# KiCad board Dumpling_Main.kicad_pcb (continued)
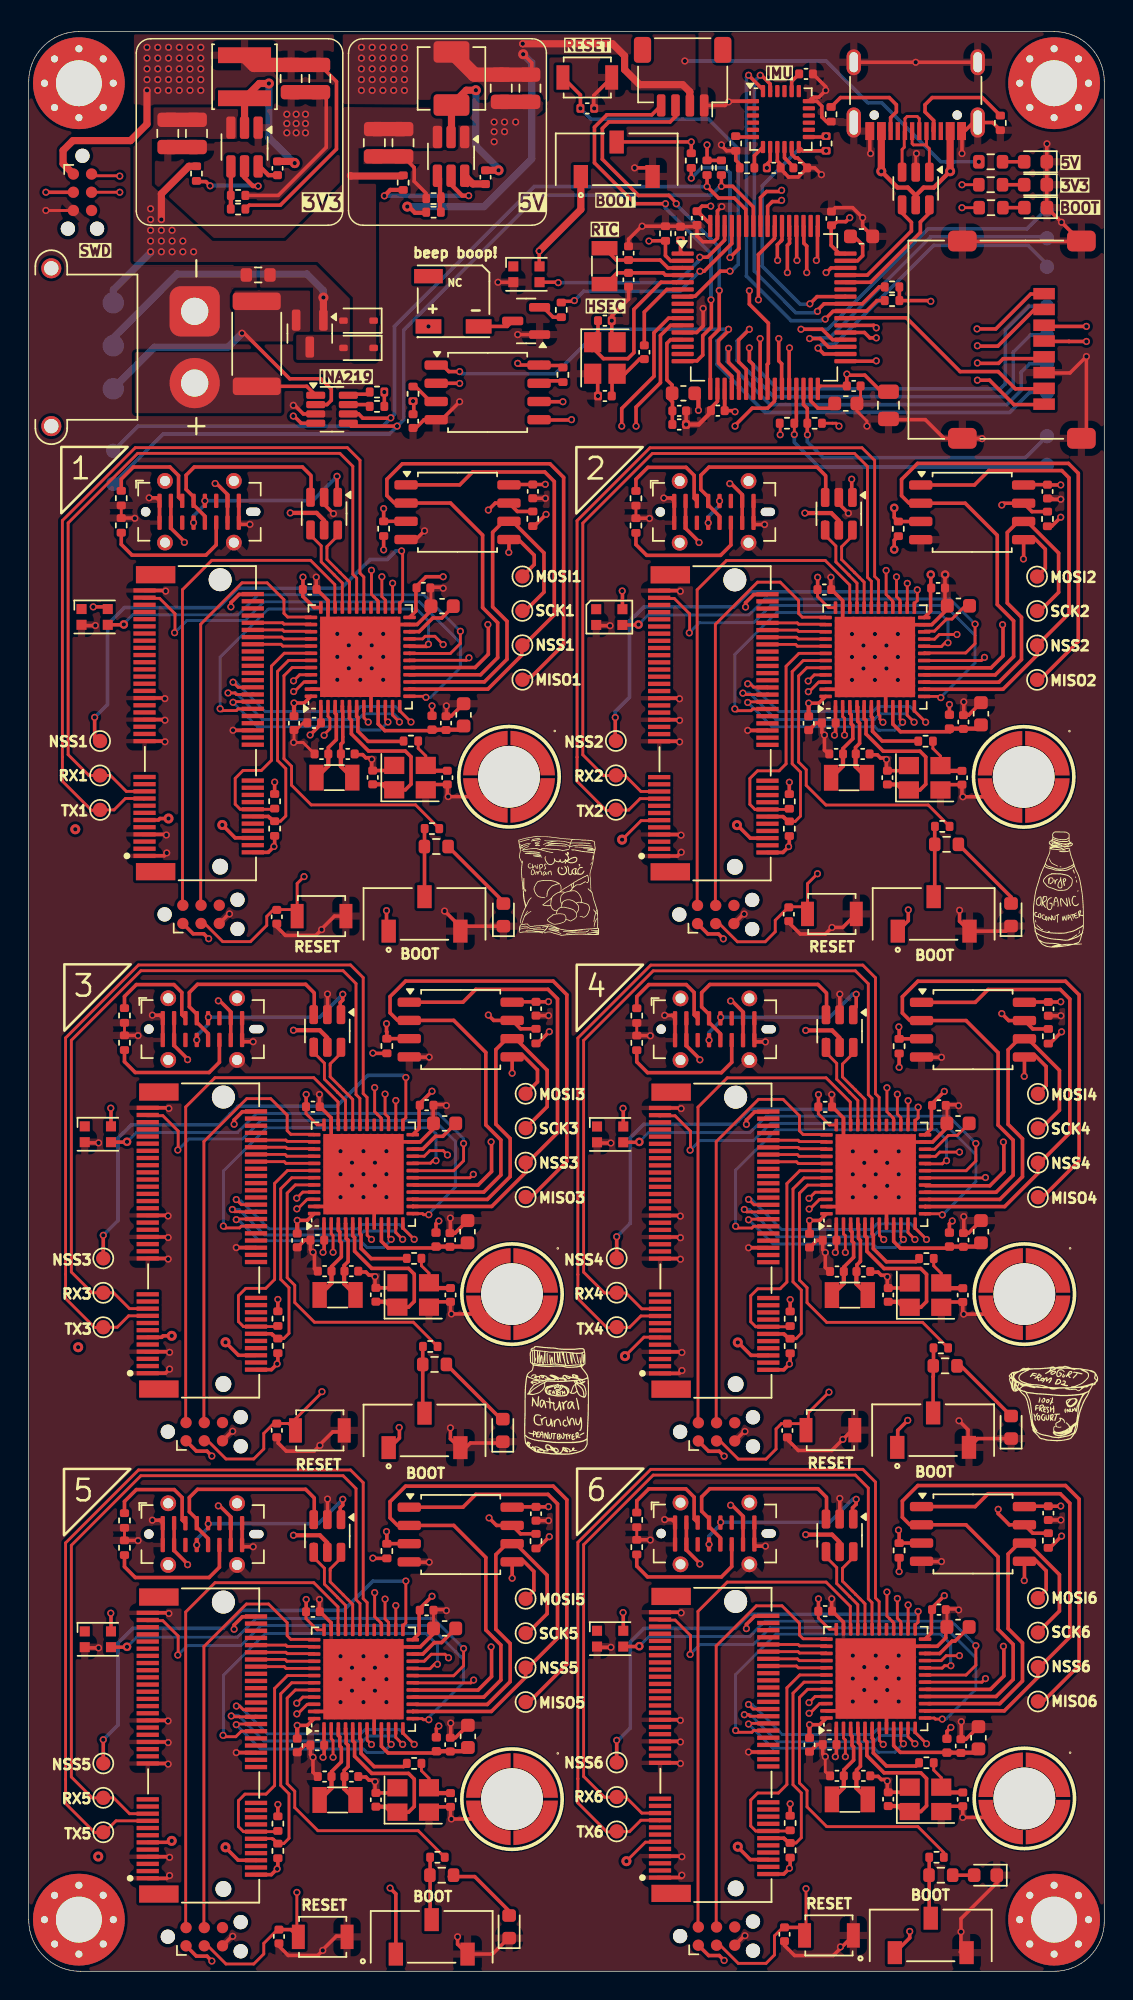
[diagram p0: board, top side]
## Placement (name value [footprint] x y rotation side) (continued)
U31  SMTSOM2_525STR  [SMD_BD5.6-D4.1]  69.38 83.25 0 top
VBAT1  TestPoint  [TestPoint_Pad_D1.5mm]  5.9 110.3 0 bottom
VBUS1  TestPoint  [TestPoint_Pad_D1.5mm]  5.9 113.3 0 bottom
VIN1  TestPoint  [TestPoint_Pad_D1.5mm]  5.9 116.3 0 bottom
Y1  32.768kHz  [Crystal_SMD_3215-2Pin_3.2x1.5mm]  21.31 83.2 180 top
Y2  32.768kHz  [Crystal_SMD_3215-2Pin_3.2x1.5mm]  40.15 118.85 90 top
Y3  32.768kHz  [Crystal_SMD_3215-2Pin_3.2x1.5mm]  57.2 83.19 180 top
Y4  32.768kHz  [Crystal_SMD_3215-2Pin_3.2x1.5mm]  21.54 47.14 180 top
Y5  32.768kHz  [Crystal_SMD_3215-2Pin_3.2x1.5mm]  57.26 47.13 180 top
Y6  32.768kHz  [Crystal_SMD_3215-2Pin_3.2x1.5mm]  21.54 11.94 180 top
Y7  32.768kHz  [Crystal_SMD_3215-2Pin_3.2x1.5mm]  57.26 11.99 180 top

## Library data of the parts
BZ1 = -: Description: Buzzer, polarized; LCSC: C391031; ki_fp_filters: *Buzzer*
C1 C5 C7-C10 C13 C14 C19 C20 C22 C24 C28 C29 C33 C37 C41 C45-C49 C51 C52 C58-C62 C64 C65 C71-C75 C77 C78 C84-C88 C90 C91 C97-C101 C103 C104 = -: Description: Unpolarized capacitor; LCSC: C1525; ki_fp_filters: C_*
C2 C31 C32 C39 C40 = -: Description: Unpolarized capacitor; LCSC: C15850; ki_fp_filters: C_*
C3 C4 C17 C18 C23 C25 C55 C56 C68 C69 C81 C82 C94 C95 = -: Description: Unpolarized capacitor; LCSC: C1548; ki_fp_filters: C_*
C6 = -: Description: Unpolarized capacitor; LCSC: C52923; ki_fp_filters: C_*
C11 C12 C16 C27 C30 C44 C54 C57 C67 C70 C80 C83 C93 C96 = -: Description: Unpolarized capacitor; LCSC: C32949; ki_fp_filters: C_*
C15 C26 C35 C36 C53 C66 C79 C92 = -: Description: Unpolarized capacitor; LCSC: C23630; ki_fp_filters: C_*
C21 C50 C63 C76 C89 C102 = -: Description: Unpolarized capacitor; LCSC: C15849; ki_fp_filters: C_*
C34 C38 C42 C43 = -: Description: Unpolarized capacitor; LCSC: C45783; ki_fp_filters: C_*
C105 = -: Description: Unpolarized capacitor; LCSC: C15195; ki_fp_filters: C_*
C106 C107 = -: Description: Unpolarized capacitor; LCSC: C16772; ki_fp_filters: C_*
D1 D4 D9 D11 D13 D15 D17 = -: Description: Light emitting diode; LCSC: C2288; ki_fp_filters: LED* LED_SMD:* LED_THT:*
D2 D6 = -: Description: Light emitting diode; LCSC: C2286; ki_fp_filters: LED* LED_SMD:* LED_THT:*
D3 D5 = -: Description: Schottky diode; LCSC: C2128; ki_fp_filters: TO-???* *_Diode_* *SingleDiode* D_*
D7 D8 D10 D12 D14 D16 D18 = -: Datasheet: https://cdn-shop.adafruit.com/product-files/4684/4684_WS2812B-2020_V1.3_EN.pdf; Description: RGB LED with integrated controller, 2.0 x 2.0 mm, 12 mA; LCSC: C965555; ki_fp_filters: LED*WS2812*-2020_PLCC4*
FB1 = -: Description: Ferrite bead; LCSC: C1002; ki_fp_filters: Inductor_* L_* *Ferrite*
FB2-FB7 = -: Description: Ferrite bead; LCSC: C14182; ki_fp_filters: Inductor_* L_* *Ferrite*
H1-H4 = -: Description: Mounting Hole without connection; ki_fp_filters: MountingHole*
HSE1-HSE7 = -: Description: Four pin crystal, GND on pins 2 and 4; LCSC: C9006; ki_fp_filters: Crystal*
J1 J6 J9 J12 J15 J18 J21 = -: Datasheet: https://www.tag-connect.com/wp-content/uploads/bsk-pdf-manager/TC2030-CTX_1.pdf; Description: Tag-Connect ARM Cortex SWD JTAG connector, 6 pin, no legs; ki_fp_filters: *TC2030*
J2 = -: Datasheet: https://www.we-online.com/components/products/datasheet/693072010801.pdf; Description: Micro SD Card Socket; LCSC: C164170; ki_fp_filters: microSD*
J3 = -: Datasheet: https://www.usb.org/sites/default/files/documents/usb_type-c.zip; Description: USB 2.0-only 16P Type-C Receptacle connector; LCSC: C2988369; ki_fp_filters: USB*C*Receptacle*
J4 = -: MF: AMASS; MAXIMUM_PACKAGE_HEIGHT: 5 mm; Package: None; Price: None; Check_prices: https://www.snapeda.com/parts/XT30PW-M/AMASS/view-part/?ref=eda; STANDARD: Manufacturer Recommendations; PARTREV: 1.2; SnapEDA_Link: https://www.snapeda.com/parts/XT30PW-M/AMASS/view-part/?ref=snap; Description_1: Socket; DC supply; XT30; male; PIN: 2; on PCBs; THT; Colour: yellow; MANUFACTURER: Amass; Availability: Not in stock; LCSC: C431092
J5 = -: MF: JST Sales; Description_1: Connector Header Surface Mount, Right Angle 4 position 0.039 (1.00mm); COPYRIGHT: Copyright (C) 2024 Ultra Librarian. All rights reserved.; Package: None; Price: None; Check_prices: https://www.snapeda.com/parts/SM04B-SRSS-TB/JST/view-part/?ref=eda; Availability: In Stock; SnapEDA_Link: https://www.snapeda.com/parts/SM04B-SRSS-TB/JST/view-part/?ref=snap; MFR_NAME: JST; LCSC: C160404
J7 J10 J13 J16 J19 J22 = -: LCSC: C2977809; ki_fp_filters: *M.2-CONNECTOR-E*
J8 J11 J14 J17 J20 J23 = -: Datasheet: https://www.usb.org/sites/default/files/documents/usb_type-c.zip; Description: USB 2.0-only 16P Type-C Receptacle connector; LCSC: C2843970; ki_fp_filters: USB*C*Receptacle*
L2 = -: Description: Inductor; LCSC: C167870; ki_fp_filters: Choke_* *Coil* Inductor_* L_*
L3 = -: Description: Inductor; LCSC: C167874; ki_fp_filters: Choke_* *Coil* Inductor_* L_*
Q1 = -: Description: P-MOSFET transistor, gate/drain/source; LCSC: C15127
Q2 = -: Datasheet: http://www.unisonic.com.tw/datasheet/S8050.pdf; Description: 0.7A Ic, 20V Vce, Low Voltage High Current NPN Transistor, TO-92; LCSC: C2150; ki_fp_filters: TO?92*
R1 R13 R26 R44 R53 R62 R71 = -: Description: Resistor; LCSC: C4961; ki_fp_filters: R_*
R2 R4 R5 R10 R12 R14 R15 R17 R21 R31-R35 R40 R41 R45 R49 R50 R54 R58 R59 R63 R67 R68 R72 R76 R77 R84 = -: Description: Resistor; LCSC: C25744; ki_fp_filters: R_*
R3 R11 R20 R36 R37 R46 R55 R64 R73 = -: Description: Resistor; LCSC: C4190; ki_fp_filters: R_*
R6 R7 R18 R19 R38 R39 R47 R48 R56 R57 R65 R66 R74 R75 R82 R83 = -: Description: Resistor; LCSC: C25905; ki_fp_filters: R_*
R8 = -: Description: Resistor; LCSC: C25803; ki_fp_filters: R_*
R9 = -: Description: Resistor; LCSC: C11702; ki_fp_filters: R_*
R16 = -: Description: Resistor; LCSC: C122548; ki_fp_filters: R_*
R22-R25 R29 R30 R42 R43 R51 R52 R60 R61 R69 R70 R78-R81 = -: Description: Resistor; LCSC: C25900; ki_fp_filters: R_*
R27 = -: Description: Resistor; LCSC: C11626; ki_fp_filters: R_*
R28 = -: Description: Resistor; LCSC: C393070; ki_fp_filters: R_*
SW1 SW4 SW6 SW8 SW10 SW12 SW14 = -: Description: Switch, single pole double throw; LCSC: C221659
SW2 SW3 SW5 SW7 SW9 SW11 SW13 = -: Description: Single Pole Single Throw (SPST) switch, separate symbol; LCSC: C231329
TP1-TP52 TP90 VBAT1 VBUS1 VIN1 = -: Description: test point; ki_fp_filters: Pin* Test*
U1 = -: Datasheet: https://www.st.com/resource/en/datasheet/stm32f405rg.pdf; Description: STMicroelectronics Arm Cortex-M4 MCU, 1024KB flash, 192KB RAM, 168 MHz, 1.8-3.6V, 51 GPIO, LQFP64; LCSC: C15742; ki_fp_filters: LQFP*10x10mm*P0.5mm*
U2 U6 U11 U14 U17 U20 U23 = -: Datasheet: https://www.st.com/resource/en/datasheet/usblc6-2.pdf; Description: Very low capacitance ESD protection diode, 2 data-line, SOT-23-6; LCSC: C7519; ki_fp_filters: SOT?23*
U3 U8 U10 U12 U15 U18 U24 = -: Datasheet: https://www.winbond.com/resource-files/w25q128jv_dtr%20revc%2003272018%20plus.pdf; Description: 128Mbit / 16MiB Serial Flash Memory, Standard/Dual/Quad SPI, 2.7-3.6V, SOIC-8; LCSC: C97521; ki_fp_filters: *SOIC*5.3x5.3mm*P1.27mm*
U4 U5 U13 U16 U19 U22 = -: Datasheet: https://www.st.com/resource/en/datasheet/stm32f411ce.pdf; Description: STMicroelectronics Arm Cortex-M4 MCU, 512KB flash, 128KB RAM, 100 MHz, 1.7-3.6V, 36 GPIO, UFQFPN48; LCSC: C60420; ki_fp_filters: QFN*1EP*7x7mm*P0.5mm*
U7 = -: Datasheet: https://invensense.tdk.com/wp-content/uploads/2015/02/MPU-6000-Datasheet1.pdf; Description: InvenSense 6-Axis Motion Sensor, Gyroscope, Accelerometer, I2C; LCSC: C24112; ki_fp_filters: *QFN*4x4mm*P0.5mm*
U9 = -: Datasheet: http://www.ti.com/lit/ds/symlink/ina219.pdf; Description: Zero-Drift, Bidirectional Current/Power Monitor (0-26V) With I2C Interface, SOT-23-8; LCSC: C87469; ki_fp_filters: SOT?23*
U21 U27-U31 = -: Datasheet: https://img.jlc.com/pdf/applyPasteComponent/2021-08-17/383886A/1117d75d549448acb3d5abecca3dc57c/SMD%E8%A1%A8%E8%B4%B4%E8%9E%BA%E6%AF%8D%E6%9F%B1-%E7%AE%80.pdf; LCSC: C22368605
U25 U26 = -: Datasheet: http://www.ti.com/lit/ds/symlink/tps563200.pdf; Description: 2A Synchronous Step-Down Voltage Regulator, Adjustable Output Voltage, 4.5-17V Input Voltage, SOT-23-6; LCSC: C49757; ki_fp_filters: SOT?23*
Y1-Y7 = -: Description: Two pin crystal; LCSC: C32346; ki_fp_filters: Crystal*

## Footprints (pads in the part's own frame, mm; a bottom-side part is the same pattern mirrored in y, then rotated)
AMASS_XT30PW-M_1x02_P2.50mm_Horizontal
  round 1.4 hole 1: (-8,10) (3,10)
  rrect 3.5x3.5 hole 1.9: 1(0,0)
  round 3.5 hole 1.9: 2(-5,0)
BUZ-SMD_FST-5030
  rect 1.8x1 smd: 1(-1.75,-1.75) 2(1.75,-1.75)
  rect 2x1 smd: 3(-1.75,1.75)
C_0402_1005Metric
  rrect 0.56x0.62 smd: 1(-0.48,0) 2(0.48,0)
C_0603_1608Metric
  rrect 0.9x0.95 smd: 1(-0.775,0) 2(0.775,0)
C_0805_2012Metric
  rrect 1x1.45 smd: 1(-0.95,0) 2(0.95,0)
Crystal_SMD_3215-2Pin_3.2x1.5mm
  rect 1x1.8 smd: 1(1.25,0) 2(-1.25,0)
Crystal_SMD_Abracon_ABM8G-4Pin_3.2x2.5mm
  rect 1.4x1.2 smd: 1(-1.1,-0.85) 2(1.1,-0.85) 3(1.1,0.85) 4(-1.1,0.85)
D_SOD-323
  rrect 0.6x0.45 smd: 1(-1.05,0) 2(1.05,0)
InvenSense_QFN-24_4x4mm_P0.5mm
  rrect 0.85x0.3 smd: 1(-1.95,1.25) 2(-1.95,0.75) 3(-1.95,0.25) 4(-1.95,-0.25) 5(-1.95,-0.75) 6(-1.95,-1.25) 13(1.95,-1.25) 14(1.95,-0.75) 15(1.95,-0.25) 16(1.95,0.25) 17(1.95,0.75) 18(1.95,1.25)
  rrect 0.3x0.85 smd: 7(-1.25,-1.95) 8(-0.75,-1.95) 9(-0.25,-1.95) 10(0.25,-1.95) 11(0.75,-1.95) 12(1.25,-1.95) 19(1.25,1.95) 20(0.75,1.95) 21(0.25,1.95) 22(-0.25,1.95) 23(-0.75,1.95) 24(-1.25,1.95)
JST_SH_SM04B-SRSS-TB_1x04-1MP_P1.00mm_Horizontal
  rrect 0.6x1.55 smd: 1(-1.5,2) 2(-0.5,2) 3(0.5,2) 4(1.5,2)
  rrect 1.2x1.8 smd: MP(-2.8,-1.875) MP(2.8,-1.875)
L_0402_1005Metric
  rrect 0.59x0.64 smd: 1(-0.485,0) 2(0.485,0)
L_0603_1608Metric
  rrect 0.875x0.95 smd: 1(-0.787,0) 2(0.787,0)
L_Changjiang_FNR4030S
  rect 1.1x3.7 smd: 1(-1.5,0) 2(1.5,0)
L_Changjiang_FXL0420
  rrect 1.5x2.5 smd: 1(-1.85,0) 2(1.85,0)
LED_0603_1608Metric
  rrect 0.875x0.95 smd: 1(-0.787,0) 2(0.787,0)
LED_WS2812B-2020_PLCC4_2.0x2.0mm
  rect 0.7x0.7 smd: 1(-0.915,0.55) 2(-0.915,-0.55) 3(0.915,-0.55) 4(0.915,0.55)
LQFP-64_10x10mm_P0.5mm
  rrect 1.55x0.3 smd: 1(-5.675,3.75) 2(-5.675,3.25) 3(-5.675,2.75) 4(-5.675,2.25) 5(-5.675,1.75) 6(-5.675,1.25) 7(-5.675,0.75) 8(-5.675,0.25) 9(-5.675,-0.25) 10(-5.675,-0.75) 11(-5.675,-1.25) 12(-5.675,-1.75) 13(-5.675,-2.25) 14(-5.675,-2.75) 15(-5.675,-3.25) 16(-5.675,-3.75) 33(5.675,-3.75) 34(5.675,-3.25) 35(5.675,-2.75) 36(5.675,-2.25) 37(5.675,-1.75) 38(5.675,-1.25) 39(5.675,-0.75) 40(5.675,-0.25) 41(5.675,0.25) 42(5.675,0.75) 43(5.675,1.25) 44(5.675,1.75) 45(5.675,2.25) 46(5.675,2.75) 47(5.675,3.25) 48(5.675,3.75)
  rrect 0.3x1.55 smd: 17(-3.75,-5.675) 18(-3.25,-5.675) 19(-2.75,-5.675) 20(-2.25,-5.675) 21(-1.75,-5.675) 22(-1.25,-5.675) 23(-0.75,-5.675) 24(-0.25,-5.675) 25(0.25,-5.675) 26(0.75,-5.675) 27(1.25,-5.675) 28(1.75,-5.675) 29(2.25,-5.675) 30(2.75,-5.675) 31(3.25,-5.675) 32(3.75,-5.675) 49(3.75,5.675) 50(3.25,5.675) 51(2.75,5.675) 52(2.25,5.675) 53(1.75,5.675) 54(1.25,5.675) 55(0.75,5.675) 56(0.25,5.675) 57(-0.25,5.675) 58(-0.75,5.675) 59(-1.25,5.675) 60(-1.75,5.675) 61(-2.25,5.675) 62(-2.75,5.675) 63(-3.25,5.675) 64(-3.75,5.675)
microSD_HC_Molex_47219-2001
  rect 0.8x1.5 smd: 1(-3.205,2.1) 2(-2.105,2.1) 3(-1.005,2.1) 4(0.095,2.1) 5(1.195,2.1) 6(2.295,2.1) 7(3.395,2.1) 8(4.495,2.1)
  rrect 1.45x2 smd: 9(-6.875,4.7) 9(-6.875,-3.6) 9(6.875,4.7) 9(6.875,-3.6)
MountingHole_3.2mm_M3_Pad_Via
  round 0.8 hole 0.5: 1(-2.4,0) 1(-1.697,1.697) 1(-1.697,-1.697) 1(0,2.4) 1(0,-2.4) 1(1.697,1.697) 1(1.697,-1.697) 1(2.4,0)
  round 6.4 hole 3.2: 1(0,0)
QFN-48-1EP_7x7mm_P0.5mm_EP5.6x5.6mm
  rrect 1.13x1.13 smd: (-2.1,2.1) (-2.1,0.7) (-2.1,-0.7) (-2.1,-2.1) (-0.7,2.1) (-0.7,0.7) (-0.7,-0.7) (-0.7,-2.1) (0.7,2.1) (0.7,0.7) (0.7,-0.7) (0.7,-2.1) (2.1,2.1) (2.1,0.7) (2.1,-0.7) (2.1,-2.1)
  rrect 0.875x0.25 smd: 1(-3.438,2.75) 2(-3.438,2.25) 3(-3.438,1.75) 4(-3.438,1.25) 5(-3.438,0.75) 6(-3.438,0.25) 7(-3.438,-0.25) 8(-3.438,-0.75) 9(-3.438,-1.25) 10(-3.438,-1.75) 11(-3.438,-2.25) 12(-3.438,-2.75) 25(3.438,-2.75) 26(3.438,-2.25) 27(3.438,-1.75) 28(3.438,-1.25) 29(3.438,-0.75) 30(3.438,-0.25) 31(3.438,0.25) 32(3.438,0.75) 33(3.438,1.25) 34(3.438,1.75) 35(3.438,2.25) 36(3.438,2.75)
  rrect 0.25x0.875 smd: 13(-2.75,-3.438) 14(-2.25,-3.438) 15(-1.75,-3.438) 16(-1.25,-3.438) 17(-0.75,-3.438) 18(-0.25,-3.438) 19(0.25,-3.438) 20(0.75,-3.438) 21(1.25,-3.438) 22(1.75,-3.438) 23(2.25,-3.438) 24(2.75,-3.438) 37(2.75,3.438) 38(2.25,3.438) 39(1.75,3.438) 40(1.25,3.438) 41(0.75,3.438) 42(0.25,3.438) 43(-0.25,3.438) 44(-0.75,3.438) 45(-1.25,3.438) 46(-1.75,3.438) 47(-2.25,3.438) 48(-2.75,3.438)
  rect 5.6x5.6 smd: 49(0,0)
R_0402_1005Metric
  rrect 0.54x0.64 smd: 1(-0.51,0) 2(0.51,0)
R_0603_1608Metric
  rrect 0.8x0.95 smd: 1(-0.825,0) 2(0.825,0)
R_2512_6332Metric
  rrect 1.225x3.35 smd: 1(-2.962,0) 2(2.962,0)
SMD_BD5.6-D4.1
  round 4.3 hole 4.3 unplated: (0,0)
  custom 3.1x3.1 smd: 1(-2.102,1.65) 2(1.65,2.102) 3(2.102,-1.65) 4(-1.65,-2.102)
SOIC-8_5.3x5.3mm_P1.27mm
  rrect 1.625x0.65 smd: 1(-3.587,1.905) 2(-3.587,0.635) 3(-3.587,-0.635) 4(-3.587,-1.905) 5(3.587,-1.905) 6(3.587,-0.635) 7(3.587,0.635) 8(3.587,1.905)
SOT-23
  rrect 1.475x0.6 smd: 1(-0.938,0.95) 2(-0.938,-0.95) 3(0.938,0)
SOT-23-6
  rrect 1.325x0.6 smd: 1(-1.137,0.95) 2(-1.137,0) 3(-1.137,-0.95) 4(1.137,-0.95) 5(1.137,0) 6(1.137,0.95)
SOT-23-6_Handsoldering
  rrect 1.56x0.65 smd: 1(-1.35,0.95) 2(-1.35,0) 3(-1.35,-0.95) 4(1.35,-0.95) 5(1.35,0) 6(1.35,0.95)
SOT-23-8
  rrect 1.325x0.5 smd: 1(-1.137,0.975) 2(-1.137,0.325) 3(-1.137,-0.325) 4(-1.137,-0.975) 5(1.137,-0.975) 6(1.137,-0.325) 7(1.137,0.325) 8(1.137,0.975)
SW_JS102011JCQN
  rect 1x1.6 smd: 1(-2.5,-1.2) 2(0,1.2) 3(2.5,-1.2)
SW_SPST_B3U-1000P
  rect 0.9x1.7 smd: 1(-1.7,0) 2(1.7,0)
Tag-Connect_TC2030-IDC-NL_2x03_P1.27mm_Vertical
  round 0.991 hole 0.991 unplated: (-2.54,0) (2.54,1.016) (2.54,-1.016)
  round 0.787 smd: 1(-1.27,-0.635) 2(-1.27,0.635) 3(0,-0.635) 4(0,0.635) 5(1.27,-0.635) 6(1.27,0.635)
TE_2199119-4
  round 1.1 hole 1.1 unplated: (-10,0)
  round 1.6 hole 1.6 unplated: (10,0)
  rect 0.3x1.55 smd: 1(-9.25,5.275) 2(-9,-2.275) 3(-8.75,5.275) 4(-8.5,-2.275) 5(-8.25,5.275) 6(-8,-2.275) 7(-7.75,5.275) 8(-7.5,-2.275) 9(-7.25,5.275) 10(-7,-2.275) 11(-6.75,5.275) 12(-6.5,-2.275) 13(-6.25,5.275) 14(-6,-2.275) 15(-5.75,5.275) 16(-5.5,-2.275) 17(-5.25,5.275) 18(-5,-2.275) 19(-4.75,5.275) 20(-4.5,-2.275) 21(-4.25,5.275) 22(-4,-2.275) 23(-3.75,5.275) 32(-1.5,-2.275) 33(-1.25,5.275) 34(-1,-2.275) 35(-0.75,5.275) 36(-0.5,-2.275) 37(-0.25,5.275) 38(0,-2.275) 39(0.25,5.275) 40(0.5,-2.275) 41(0.75,5.275) 42(1,-2.275) 43(1.25,5.275) 44(1.5,-2.275) 45(1.75,5.275) 46(2,-2.275) 47(2.25,5.275) 48(2.5,-2.275) 49(2.75,5.275) 50(3,-2.275) 51(3.25,5.275) 52(3.5,-2.275) 53(3.75,5.275) 54(4,-2.275) 55(4.25,5.275) 56(4.5,-2.275) 57(4.75,5.275) 58(5,-2.275) 59(5.25,5.275) 60(5.5,-2.275) 61(5.75,5.275) 62(6,-2.275) 63(6.25,5.275) 64(6.5,-2.275) 65(6.75,5.275) 66(7,-2.275) 67(7.25,5.275) 68(7.5,-2.275) 69(7.75,5.275) 70(8,-2.275) 71(8.25,5.275) 72(8.5,-2.275) 73(8.75,5.275) 74(9,-2.275) 75(9.25,5.275)
  rect 1.2x2.75 smd: SH1(-10.35,4.5) SH2(10.35,4.5)
TestPoint_Pad_D1.0mm
  round 1 smd: 1(0,0)
TestPoint_Pad_D1.5mm
  round 1.5 smd: 1(0,0)
USB_C_Receptacle_G-Switch_GT-USB-7010ASV
  round 0.65 hole 0.65 unplated: (-2.89,2.605) (2.89,2.605)
  rect 0.6x1.24 smd: A1(-3.2,3.725) A4(-2.4,3.725) A9(2.4,3.725) A12(3.2,3.725) B1(3.2,3.725) B4(2.4,3.725) B9(-2.4,3.725) B12(-3.2,3.725)
  rect 0.3x1.24 smd: A5(-1.25,3.725) A6(-0.25,3.725) A7(0.25,3.725) A8(1.25,3.725) B5(1.75,3.725) B6(0.75,3.725) B7(-0.75,3.725) B8(-1.75,3.725)
  oval 1x2.1 hole 0.6x1.7: S1(-4.32,3.125) S1(4.32,3.125)
  oval 1x1.8 hole 0.6x1.4: S1(-4.32,-1.075) S1(4.32,-1.075)
USB_C_Receptacle_G-Switch_GT-USB-7051x
  round 0.66 hole 0.66 unplated: (-3.75,0)
  oval 1x0.58 hole 1x0.58 unplated: (3.75,0)
  rrect 0.3x1 smd: A1(-2.78,0.76) A4(-1.99,0.76) A5(-1.2,0.76) A6(-0.41,0.76) A7(0.38,0.76) A8(1.17,0.76) A9(1.96,0.76) A12(2.75,0.76) B1(2.75,-0.76) B4(1.96,-0.76) B5(1.17,-0.76) B6(0.38,-0.76) B7(-0.41,-0.76) B8(-1.2,-0.76) B9(-1.99,-0.76) B12(-2.78,-0.76)
  round 1.1 hole 0.7: S1(-2.4,2.15) S1(-2.4,-2.15) S1(2.4,2.15) S1(2.4,-2.15)

## Nets
+3V3: BZ1.1 C2.1 C7.1 C8.1 C9.1 C10.1 C13.1 C19.1 C20.1 C22.1 C28.1 C29.1 C34.1 C37.1 C38.1 C45.1 C46.1 C48.1 C49.1 C52.1 C58.1 C59.1 C61.1 C62.1 C65.1 C71.1 C72.1 C74.1 C75.1 C78.1 C84.1 C85.1 C87.1 C88.1 C91.1 C97.1 C98.1 C100.1 C101.1 C104.1 C105.2 D7.4 D8.4 D10.4 D12.4 D14.4 D16.4 D18.4 FB1.1 FB2.1 FB3.1 FB4.1 FB5.1 FB6.1 FB7.1 J1.1 J2.4 J6.1 J7.2 J7.74 J9.1 J10.2 J10.74 J12.1 J13.2 J13.74 J15.1 J16.2 J16.74 J18.1 J19.2 J19.74 J21.1 J22.2 J22.74 L2.2 R4.1 R5.1 R12.1 R14.1 R16.1 R20.2 R22.1 R23.1 R24.1 R25.1 R29.1 R30.1 R33.1 R34.1 R40.1 R41.1 R42.1 R43.1 R49.1 R50.1 R51.1 R52.1 R58.1 R59.1 R60.1 R61.1 R67.1 R68.1 R69.1 R70.1 R76.1 R77.1 R78.1 R79.1 R80.1 R81.1 R84.2 SW1.1 SW4.1 SW6.1 SW8.1 SW10.1 SW12.1 SW14.1 U1.1 U1.19 U1.32 U1.48 U1.64 U3.8 U4.1 U4.24 U4.36 U4.48 U5.1 U5.24 U5.36 U5.48 U7.8 U7.13 U8.8 U9.4 U10.8 U12.8 U13.1 U13.24 U13.36 U13.48 U15.8 U16.1 U16.24 U16.36 U16.48 U18.8 U19.1 U19.24 U19.36 U19.48 U22.1 U22.24 U22.36 U22.48 U24.8
+5V: C42.1 C43.1 J5.2 J7.6 J10.6 J13.6 J16.6 J19.6 J22.6 L3.2 R27.1 R37.2
GND: C1.2 C2.2 C3.2 C4.2 C5.2 C6.2 C7.2 C8.2 C9.2 C10.2 C11.2 C12.2 C13.2 C14.2 C15.2 C16.2 C17.2 C18.2 C19.2 C20.2 C21.2 C22.2 C23.2 C24.2 C25.2 C26.2 C27.2 C28.2 C29.2 C30.2 C31.2 C32.2 C34.2 C35.2 C36.2 C37.2 C38.2 C39.2 C40.2 C42.2 C43.2 C44.2 C45.2 C46.2 C47.2 C48.2 C49.2 C50.2 C51.2 C52.2 C53.2 C54.2 C55.2 C56.2 C57.2 C58.2 C59.2 C60.2 C61.2 C62.2 C63.2 C64.2 C65.2 C66.2 C67.2 C68.2 C69.2 C70.2 C71.2 C72.2 C73.2 C74.2 C75.2 C76.2 C77.2 C78.2 C79.2 C80.2 C81.2 C82.2 C83.2 C84.2 C85.2 C86.2 C87.2 C88.2 C89.2 C90.2 C91.2 C92.2 C93.2 C94.2 C95.2 C96.2 C97.2 C98.2 C99.2 C100.2 C101.2 C102.2 C103.2 C104.2 C105.1 C106.2 C107.2 D1.1 D2.1 D4.1 D6.1 D7.2 D8.2 D9.1 D10.2 D11.1 D12.2 D13.1 D14.2 D15.1 D16.2 D17.1 D18.2 HSE1.2 HSE1.4 HSE2.2 HSE2.4 HSE3.2 HSE3.4 HSE4.2 HSE4.4 HSE5.2 HSE5.4 HSE6.2 HSE6.4 HSE7.2 HSE7.4 J1.5 J2.6 J2.9 J3.A1 J3.A12 J3.B1 J3.B12 J3.S1 J4.1 J5.1 J6.5 J7.1 J7.7 J7.33 J7.36 J7.39 J7.45 J7.75 J8.A1 J8.A12 J8.B1 J8.B12 J8.S1 J9.5 J10.1 J10.7 J10.33 J10.36 J10.39 J10.45 J10.75 J11.A1 J11.A12 J11.B1 J11.B12 J11.S1 J12.5 J13.1 J13.7 J13.33 J13.36 J13.39 J13.45 J13.75 J14.A1 J14.A12 J14.B1 J14.B12 J14.S1 J15.5 J16.1 J16.7 J16.33 J16.36 J16.39 J16.45 J16.75 J17.A1 J17.A12 J17.B1 J17.B12 J17.S1 J18.5 J19.1 J19.7 J19.33 J19.36 J19.39 J19.45 J19.75 J20.A1 J20.A12 J20.B1 J20.B12 J20.S1 J21.5 J22.1 J22.7 J22.33 J22.36 J22.39 J22.45 J22.75 J23.A1 J23.A12 J23.B1 J23.B12 J23.S1 Q2.1 R6.1 R7.1 R8.2 R17.1 R18.1 R19.1 R31.1 R32.2 R38.1 R39.1 R47.1 R48.1 R56.1 R57.1 R65.1 R66.1 R74.1 R75.1 R82.1 R83.1 SW1.3 SW2.2 SW3.2 SW4.3 SW5.2 SW6.3 SW7.2 SW8.3 SW9.2 SW10.3 SW11.2 SW12.3 SW13.2 SW14.3 U1.12 U1.18 U1.63 U2.2 U3.4 U4.8 U4.23 U4.35 U4.47 U4.49 U5.8 U5.23 U5.35 U5.47 U5.49 U6.2 U7.1 U7.9 U7.11 U7.18 U8.4 U9.3 U10.4 U11.2 U12.4 U13.8 U13.23 U13.35 U13.47 U13.49 U14.2 U15.4 U16.8 U16.23 U16.35 U16.47 U16.49 U17.2 U18.4 U19.8 U19.23 U19.35 U19.47 U19.49 U20.2 U21.1 U21.2 U21.3 U21.4 U22.8 U22.23 U22.35 U22.47 U22.49 U23.2 U24.4 U25.1 U26.1 U27.1 U27.2 U27.3 U27.4 U28.1 U28.2 U28.3 U28.4 U29.1 U29.2 U29.3 U29.4 U30.1 U30.2 U30.3 U30.4 U31.1 U31.2 U31.3 U31.4
VBAT: Q1.2 R28.1 U9.2 VBAT1.1
VBUS: D5.2 J3.A4 J3.A9 J3.B4 J3.B9 J8.A4 J8.A9 J8.B4 J8.B9 J11.A4 J11.A9 J11.B4 J11.B9 J14.A4 J14.A9 J14.B4 J14.B9 J17.A4 J17.A9 J17.B4 J17.B9 J20.A4 J20.A9 J20.B4 J20.B9 J23.A4 J23.A9 J23.B4 J23.B9 Q1.1 R8.1 U2.5 U6.5 U11.5 U14.5 U17.5 U20.5 U23.5 VBUS1.1
VDDA: C5.1 C6.1 FB1.2 U1.13
VIN: C31.1 C32.1 C39.1 C40.1 D3.1 D5.1 J7.11 J10.11 J13.11 J16.11 J19.11 J22.11 R15.2 R21.2 U25.3 U26.3 VIN1.1
BOOT0: R2.1 U1.60
buzzer: R9.1 U1.61
co1_BOOT0: R10.1 U4.44
co1_FLASH_HOLD: R14.2 U3.7 U4.45
co1_FLASH_WP: R12.2 U3.3 U4.2
co1_gpio1: J7.44 U4.10
co1_gpio2: J7.46 U4.11
co1_gpio3: J7.48 U4.12
co1_gpio4: J7.73 U4.13
co1_I2C1_SCL: J7.14 R30.2 U4.42
co1_I2C1_SDA: J7.12 R29.2 U4.43
co1_NRST: C14.1 J9.3 SW3.1 U1.26 U4.7
co1_OSC_IN: C27.1 HSE3.1 U4.5
co1_OSC_OUT: R13.1 U4.6
co1_pwr_cyc: J7.42 U4.20
co1_RGB_LED: D8.3 U4.19
co1_RTC_IN: C23.1 U4.3 Y1.1
co1_RTC_OUT: C25.1 U4.4 Y1.2
co1_SPI1_MISO: TP24.1 U3.2 U4.16
co1_SPI1_MOSI: TP19.1 U3.5 U4.17
co1_SPI1_NSS: TP32.1 U3.1 U4.14
co1_SPI1_SCK: TP28.1 U3.6 U4.15
co1_SPI3_MISO: J7.62 U4.40
co1_SPI3_MOSI: J7.60 U4.41
co1_SPI3_NSS: J7.66 U4.38
co1_SPI3_SCK: J7.64 U4.39
co1_SWCLK: J9.4 U4.37
co1_SWDIO: J9.2 U4.34
co1_USART_RX: J7.19 TP30.1 U4.31
co1_USART_TX: J7.17 TP31.1 U4.30
co1_USB_D+: U4.33 U6.4
co1_USB_D+_ESD: J8.A6 J8.B6 U6.3
co1_USB_D-: U4.32 U6.6
co1_USB_D-_ESD: J8.A7 J8.B7 U6.1
co1_VDDA: C21.1 C24.1 FB3.2 U4.9
co2_BOOT0: R35.1 U5.44
co2_FLASH_HOLD: R41.2 U5.45 U8.7
co2_FLASH_WP: R40.2 U5.2 U8.3
co2_gpio1: J10.44 U5.10
co2_gpio2: J10.46 U5.11
co2_gpio3: J10.48 U5.12
co2_gpio4: J10.73 U5.13
co2_I2C1_SCL: J10.14 R43.2 U5.42
co2_I2C1_SDA: J10.12 R42.2 U5.43
co2_NRST: C47.1 J6.3 SW5.1 U1.27 U5.7
co2_OSC_IN: C16.1 HSE2.1 U5.5
co2_OSC_OUT: R26.1 U5.6
co2_pwr_cyc: J10.42 U5.20
co2_RGB_LED: D10.3 U5.19
co2_RTC_IN: C17.1 U5.3 Y3.1
co2_RTC_OUT: C18.1 U5.4 Y3.2
co2_SPI1_MISO: TP29.1 U5.16 U8.2
co2_SPI1_MOSI: TP25.1 U5.17 U8.5
co2_SPI1_NSS: TP35.1 U5.14 U8.1
co2_SPI1_SCK: TP33.1 U5.15 U8.6
co2_SPI3_MISO: J10.62 U5.40
co2_SPI3_MOSI: J10.60 U5.41
co2_SPI3_NSS: J10.66 U5.38
co2_SPI3_SCK: J10.64 U5.39
co2_SWCLK: J6.4 U5.37
co2_SWDIO: J6.2 U5.34
co2_USART_RX: J10.19 TP36.1 U5.31
co2_USART_TX: J10.17 TP90.1 U5.30
co2_USB_D+: U5.33 U11.4
co2_USB_D+_ESD: J23.A6 J23.B6 U11.3
co2_USB_D-: U5.32 U11.6
co2_USB_D-_ESD: J23.A7 J23.B7 U11.1
co2_VDDA: C50.1 C51.1 FB2.2 U5.9
co3_BOOT0: R45.1 U13.44
co3_FLASH_HOLD: R50.2 U10.7 U13.45
co3_FLASH_WP: R49.2 U10.3 U13.2
co3_gpio1: J13.44 U13.10
co3_gpio2: J13.46 U13.11
co3_gpio3: J13.48 U13.12
co3_gpio4: J13.73 U13.13
co3_I2C1_SCL: J13.14 R52.2 U13.42
co3_I2C1_SDA: J13.12 R51.2 U13.43
co3_NRST: C60.1 J12.3 SW7.1 U1.28 U13.7
co3_OSC_IN: C54.1 HSE4.1 U13.5
co3_OSC_OUT: R44.1 U13.6
co3_pwr_cyc: J13.42 U13.20
co3_RGB_LED: D12.3 U13.19
co3_RTC_IN: C55.1 U13.3 Y4.1
co3_RTC_OUT: C56.1 U13.4 Y4.2
co3_SPI1_MISO: TP15.1 U10.2 U13.16
co3_SPI1_MOSI: TP14.1 U10.5 U13.17
co3_SPI1_NSS: TP17.1 U10.1 U13.14
co3_SPI1_SCK: TP16.1 U10.6 U13.15
co3_SPI3_MISO: J13.62 U13.40
co3_SPI3_MOSI: J13.60 U13.41
co3_SPI3_NSS: J13.66 U13.38
co3_SPI3_SCK: J13.64 U13.39
co3_SWCLK: J12.4 U13.37
co3_SWDIO: J12.2 U13.34
co3_USART_RX: J13.19 TP18.1 U13.31
co3_USART_TX: J13.17 TP21.1 U13.30
co3_USB_D+: U13.33 U14.4
co3_USB_D+_ESD: J11.A6 J11.B6 U14.3
co3_USB_D-: U13.32 U14.6
co3_USB_D-_ESD: J11.A7 J11.B7 U14.1
co3_VDDA: C63.1 C64.1 FB4.2 U13.9
co4_BOOT0: R54.1 U16.44
co4_FLASH_HOLD: R59.2 U12.7 U16.45
co4_FLASH_WP: R58.2 U12.3 U16.2
co4_gpio1: J16.44 U16.10
co4_gpio2: J16.46 U16.11
co4_gpio3: J16.48 U16.12
co4_gpio4: J16.73 U16.13
co4_I2C1_SCL: J16.14 R61.2 U16.42
co4_I2C1_SDA: J16.12 R60.2 U16.43
co4_NRST: C73.1 J15.3 SW9.1 U1.55 U16.7
co4_OSC_IN: C67.1 HSE5.1 U16.5
co4_OSC_OUT: R53.1 U16.6
co4_pwr_cyc: J16.42 U16.20
co4_RGB_LED: D14.3 U16.19
co4_RTC_IN: C68.1 U16.3 Y5.1
co4_RTC_OUT: C69.1 U16.4 Y5.2
co4_SPI1_MISO: TP26.1 U12.2 U16.16
co4_SPI1_MOSI: TP23.1 U12.5 U16.17
co4_SPI1_NSS: TP34.1 U12.1 U16.14
co4_SPI1_SCK: TP27.1 U12.6 U16.15
co4_SPI3_MISO: J16.62 U16.40
co4_SPI3_MOSI: J16.60 U16.41
co4_SPI3_NSS: J16.66 U16.38
co4_SPI3_SCK: J16.64 U16.39
co4_SWCLK: J15.4 U16.37
co4_SWDIO: J15.2 U16.34
co4_USART_RX: J16.19 TP37.1 U16.31
co4_USART_TX: J16.17 TP38.1 U16.30
co4_USB_D+: U16.33 U17.4
co4_USB_D+_ESD: J14.A6 J14.B6 U17.3
co4_USB_D-: U16.32 U17.6
co4_USB_D-_ESD: J14.A7 J14.B7 U17.1
co4_VDDA: C76.1 C77.1 FB5.2 U16.9
co5_BOOT0: R63.1 U19.44
co5_FLASH_HOLD: R68.2 U15.7 U19.45
co5_FLASH_WP: R67.2 U15.3 U19.2
co5_gpio1: J19.44 U19.10
co5_gpio2: J19.46 U19.11
co5_gpio3: J19.48 U19.12
co5_gpio4: J19.73 U19.13
co5_I2C1_SCL: J19.14 R70.2 U19.42
co5_I2C1_SDA: J19.12 R69.2 U19.43
co5_NRST: C86.1 J18.3 SW11.1 U1.56 U19.7
co5_OSC_IN: C80.1 HSE6.1 U19.5
co5_OSC_OUT: R62.1 U19.6
co5_pwr_cyc: J19.42 U19.20
co5_RGB_LED: D16.3 U19.19
co5_RTC_IN: C81.1 U19.3 Y6.1
co5_RTC_OUT: C82.1 U19.4 Y6.2
co5_SPI1_MISO: TP41.1 U15.2 U19.16
co5_SPI1_MOSI: TP40.1 U15.5 U19.17
co5_SPI1_NSS: TP43.1 U15.1 U19.14
co5_SPI1_SCK: TP42.1 U15.6 U19.15
co5_SPI3_MISO: J19.62 U19.40
co5_SPI3_MOSI: J19.60 U19.41
co5_SPI3_NSS: J19.66 U19.38
co5_SPI3_SCK: J19.64 U19.39
co5_SWCLK: J18.4 U19.37
co5_SWDIO: J18.2 U19.34
co5_USART_RX: J19.19 TP44.1 U19.31
co5_USART_TX: J19.17 TP45.1 U19.30
co5_USB_D+: U19.33 U20.4
co5_USB_D+_ESD: J17.A6 J17.B6 U20.3
co5_USB_D-: U19.32 U20.6
co5_USB_D-_ESD: J17.A7 J17.B7 U20.1
co5_VDDA: C89.1 C90.1 FB6.2 U19.9
co6_BOOT0: R72.1 U22.44
co6_FLASH_HOLD: R77.2 U18.7 U22.45
co6_FLASH_WP: R76.2 U18.3 U22.2
co6_gpio1: J22.44 U22.10
co6_gpio2: J22.46 U22.11
co6_gpio3: J22.48 U22.12
co6_gpio4: J22.73 U22.13
co6_I2C1_SCL: J22.14 R79.2 U22.42
co6_I2C1_SDA: J22.12 R78.2 U22.43
co6_NRST: C99.1 J21.3 SW13.1 U1.57 U22.7
co6_OSC_IN: C93.1 HSE7.1 U22.5
co6_OSC_OUT: R71.1 U22.6
co6_pwr_cyc: J22.42 U22.20
co6_RGB_LED: D18.3 U22.19
co6_RTC_IN: C94.1 U22.3 Y7.1
co6_RTC_OUT: C95.1 U22.4 Y7.2
co6_SPI1_MISO: TP48.1 U18.2 U22.16
co6_SPI1_MOSI: TP47.1 U18.5 U22.17
co6_SPI1_NSS: TP50.1 U18.1 U22.14
co6_SPI1_SCK: TP49.1 U18.6 U22.15
co6_SPI3_MISO: J22.62 U22.40
co6_SPI3_MOSI: J22.60 U22.41
co6_SPI3_NSS: J22.66 U22.38
co6_SPI3_SCK: J22.64 U22.39
co6_SWCLK: J21.4 U22.37
co6_SWDIO: J21.2 U22.34
co6_USART_RX: J22.19 TP51.1 U22.31
co6_USART_TX: J22.17 TP52.1 U22.30
co6_USB_D+: U22.33 U23.4
co6_USB_D+_ESD: J20.A6 J20.B6 U23.3
co6_USB_D-: U22.32 U23.6
co6_USB_D-_ESD: J20.A7 J20.B7 U23.1
co6_VDDA: C102.1 C103.1 FB7.2 U22.9
FLASH_HOLD: R34.2 U24.7
FLASH_WP: R33.2 U24.3
I2C1_SCL: R23.2 TP2.1 U1.58 U9.5
I2C1_SDA: R22.2 TP1.1 U1.59 U9.6
I2C2_SCL: R25.2 TP4.1 U1.29 U4.21 U5.21 U13.21 U16.21 U19.21 U22.21
I2C2_SDA: R24.2 TP3.1 U1.30 U4.46 U5.46 U13.46 U16.46 U19.46 U22.46
I2C3_SCL: R81.2 U1.41 U7.23
I2C3_SDA: R80.2 U1.40 U7.24
IMU_INT: R84.1 U1.42 U7.12
NRST: C1.1 J1.3 SW2.1 U1.7
OSC_IN: C11.1 HSE1.1 U1.5
OSC_OUT: R1.1 U1.6
RGB_LED: D7.3 U1.62
RTC_IN: C3.1 U1.3 Y2.1
RTC_OUT: C4.1 U1.4 Y2.2
SDIO_CLK: J2.5 U1.53
SDIO_CMD: J2.3 U1.54
SDIO_D0: J2.7 U1.39
SDIO_D2: J2.1 U1.51
SDIO_D3: J2.2 U1.52
SDIO_D7: J2.8 U1.38
SPI1_MISO: TP6.1 U1.22 U24.2
SPI1_MOSI: TP5.1 U1.23 U24.5
SPI1_NSS: TP8.1 U1.20 U24.1
SPI1_SCK: TP7.1 U1.21 U24.6
SPI2_MISO: TP10.1 U1.35 U4.27 U5.27 U13.27 U16.27 U19.27 U22.27
SPI2_MOSI: TP9.1 U1.36 U4.28 U5.28 U13.28 U16.28 U19.28 U22.28
SPI2_NSS1: TP12.1 U1.11 U4.25
SPI2_NSS2: TP20.1 U1.33 U5.25
SPI2_NSS3: TP13.1 U1.10 U13.25
SPI2_NSS4: TP22.1 U1.37 U16.25
SPI2_NSS5: TP39.1 U1.24 U19.25
SPI2_NSS6: TP46.1 U1.25 U22.25
SPI2_SCK: TP11.1 U1.34 U4.26 U5.26 U13.26 U16.26 U19.26 U22.26
SWCLK: J1.4 U1.49
SWDIO: J1.2 U1.46
Trigger: R32.1 U1.2 U4.18 U5.18 U13.18 U16.18 U19.18 U22.18
USART_RX: J5.3 U1.17
USART_TX: J5.4 U1.16
USB_D+: U1.45 U2.4
USB_D+_ESD: J3.A6 J3.B6 U2.3
USB_D-: U1.44 U2.6
USB_D-_ESD: J3.A7 J3.B7 U2.1
Net-(BZ1--): BZ1.2 Q2.3
Net-(C12-Pad1): C12.1 HSE1.3 R1.2
Net-(C30-Pad1): C30.1 HSE3.3 R13.2
Net-(C44-Pad1): C44.1 HSE2.3 R26.2
Net-(C57-Pad1): C57.1 HSE4.3 R44.2
Net-(C70-Pad1): C70.1 HSE5.3 R53.2
Net-(C83-Pad1): C83.1 HSE6.3 R62.2
Net-(C96-Pad1): C96.1 HSE7.3 R71.2
Net-(D1-A): D1.2 R3.2
Net-(D2-A): D2.2 R20.1
Net-(D3-A): D3.2 Q1.3
Net-(D4-A): D4.2 R11.2
Net-(D6-A): D6.2 R37.1
Net-(D9-A): D9.2 R36.2
Net-(D11-A): D11.2 R46.2
Net-(D13-A): D13.2 R55.2
Net-(D15-A): D15.2 R64.2
Net-(D17-A): D17.2 R73.2
Net-(J3-CC1): J3.A5 R6.2
Net-(J3-CC2): J3.B5 R7.2
Net-(J4-P): J4.2 R28.2 U9.1
Net-(J8-CC1): J8.A5 R18.2
Net-(J8-CC2): J8.B5 R19.2
Net-(J11-CC1): J11.A5 R47.2
Net-(J11-CC2): J11.B5 R48.2
Net-(J14-CC1): J14.A5 R56.2
Net-(J14-CC2): J14.B5 R57.2
Net-(J17-CC1): J17.A5 R65.2
Net-(J17-CC2): J17.B5 R66.2
Net-(J20-CC1): J20.A5 R74.2
Net-(J20-CC2): J20.B5 R75.2
Net-(J23-CC1): J23.A5 R38.2
Net-(J23-CC2): J23.B5 R39.2
Net-(Q2-B): Q2.2 R9.2
Net-(SW1-B): R2.2 R3.1 SW1.2
Net-(SW4-B): R10.2 R11.1 SW4.2
Net-(SW6-B): R35.2 R36.1 SW6.2
Net-(SW8-B): R45.2 R46.1 SW8.2
Net-(SW10-B): R54.2 R55.1 SW10.2
Net-(SW12-B): R63.2 R64.1 SW12.2
Net-(SW14-B): R72.2 R73.1 SW14.2
Net-(U1-VCAP_1): C35.1 U1.31
Net-(U1-VCAP_2): C36.1 U1.47
Net-(U4-VCAP1): C26.1 U4.22
Net-(U5-VCAP1): C15.1 U5.22
Net-(U7-AUX_CL): R83.2 U7.7
Net-(U7-AUX_DA): R82.2 U7.6
Net-(U7-CPOUT): C107.1 U7.20
Net-(U7-REGOUT): C106.1 U7.10
Net-(U9-A0): R5.2 U9.7
Net-(U9-A1): R4.2 U9.8
Net-(U13-VCAP1): C53.1 U13.22
Net-(U16-VCAP1): C66.1 U16.22
Net-(U19-VCAP1): C79.1 U19.22
Net-(U22-VCAP1): C92.1 U22.22
Net-(U25-EN): R15.1 U25.5
Net-(U25-SW): C33.2 L2.1 U25.2
Net-(U25-VBST): C33.1 U25.6
Net-(U25-VFB): R16.2 R17.2 U25.4
Net-(U26-EN): R21.1 U26.5
Net-(U26-SW): C41.2 L3.1 U26.2
Net-(U26-VBST): C41.1 U26.6
Net-(U26-VFB): R27.2 R31.2 U26.4
